# Altium PCB Autopilot_v0.PcbDoc (continued)
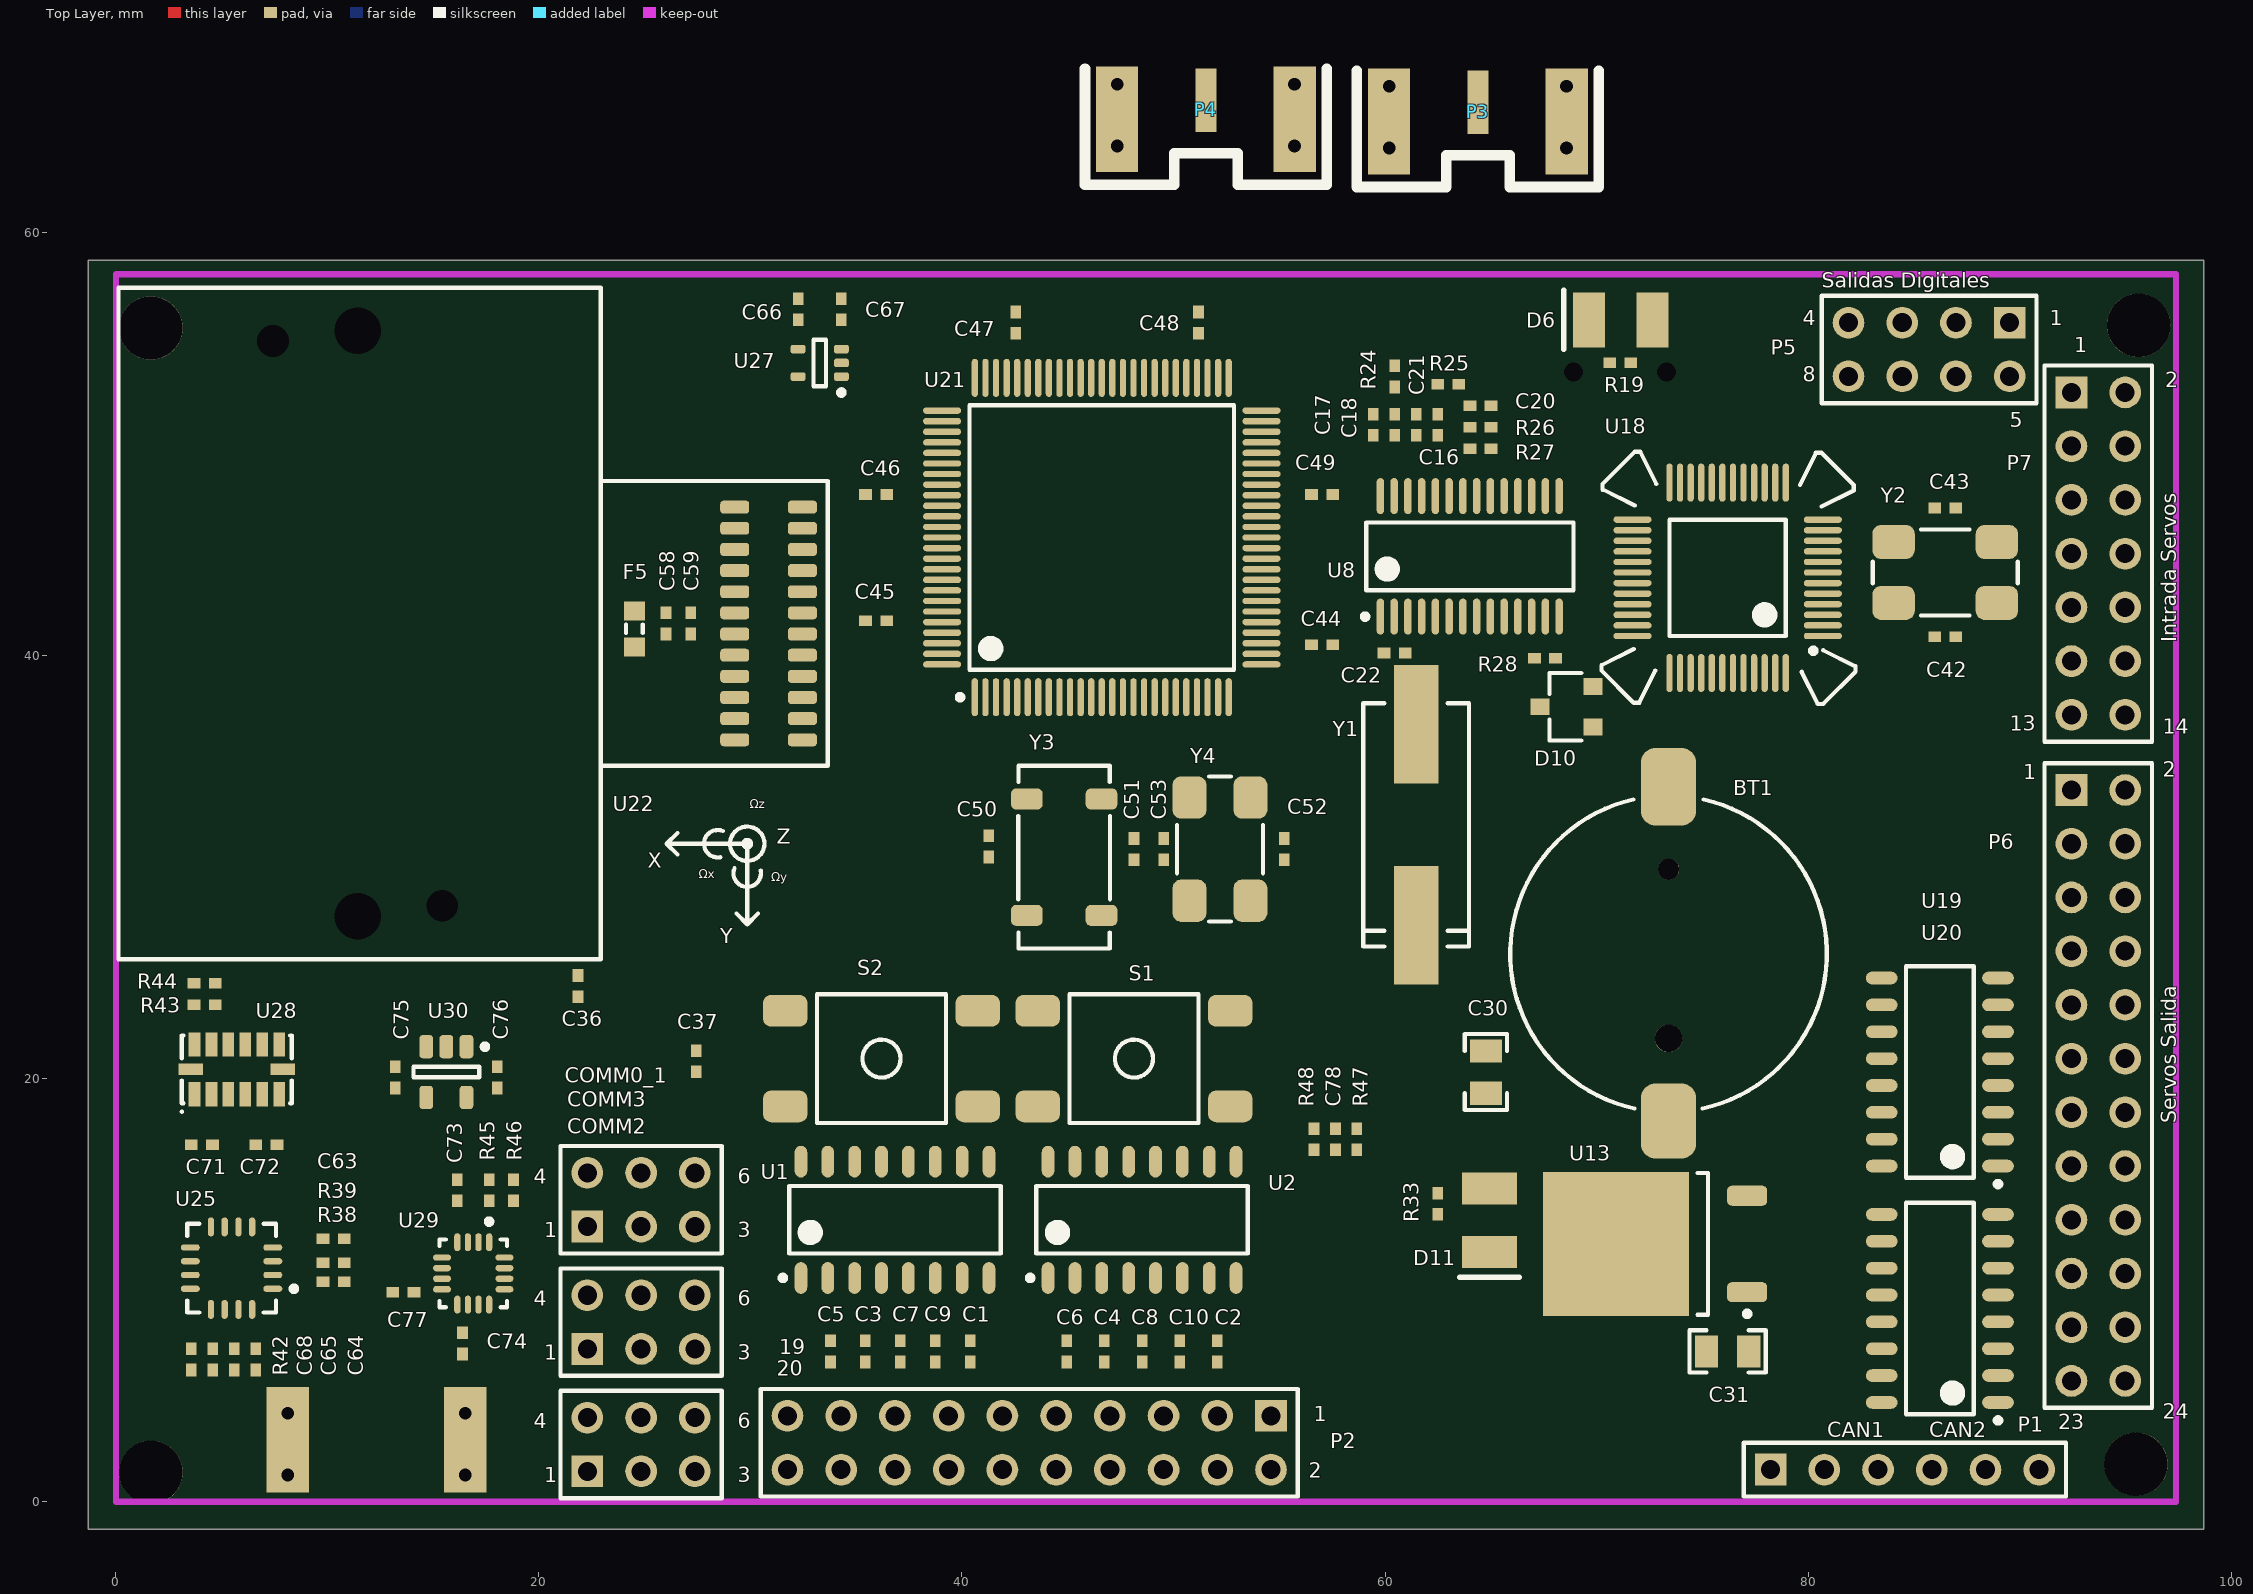
[diagram p0: Top Layer view]
## Footprints (in the part's own frame and the unit in brackets; to place one, negate y for a bottom-side part, rotate by r counter-clockwise, add the part's x,y. Pads: shape width x height; smd on the part's side, far side on the other; paste and mask are expansions set on the pad) (continued)
  silkscreen extent -4.8,-9.25 3.3,9.45, body extent -5.21,-9.24 5.19,9.3, height 2.65
SOT23 [mm]
  rect 0.8x0.9 smd: 1(-0.95,-1.25) 2(0.95,-1.25) 3(0,1.25)
  silkscreen extent -1.6,-0.7 1.6,0.8, body extent -1.5,-1.25 1.5,1.25, height 1.05
SOT23-5BN [mm] "SOT23, 5-Leads, Body 2.9x1.6mm, Pitch 0.95mm, Lead Span 2.8mm, IPC Medium Density"
  rrect50% 1.1x0.65 smd: 1(-1.2,0.95) 2(-1.2,0) 3(-1.2,-0.95) 4(1.2,-0.95) 5(1.2,0.95)
  silkscreen extent -1.33,-1.55 0.25,1.95, body extent -1.4,-1.41 1.4,1.49, height 1.24
SOT353-5AN [mm] "SOT353, 5-Leads, Body 2x1.3mm, Pitch 0.65mm, Lead Span 2.1mm, IPC Medium Density"
  rrect50% 0.7x0.4 smd: 1(-1.025,0.65) 2(-1.025,0) 3(-1.025,-0.65) 4(1.025,-0.65) 5(1.025,0.65)
  silkscreen extent -1.15,-1.1 0.3,1.52, body extent -1.1,-1 1.1,1, height 0.95
"SOT407-1 LPC1768" [mm] "100-Pin Thin Quad Flat Pack 0.5 mm Pitch, IPC Medium Density"
  oval 0.3x1.8 smd: 1(-6,-7.55) 2(-5.5,-7.55) 3(-5,-7.55) 4(-4.5,-7.55) 5(-4,-7.55) 6(-3.5,-7.55) 7(-3,-7.55) 8(-2.5,-7.55) 9(-2,-7.55) 10(-1.5,-7.55) 11(-1,-7.55) 12(-0.5,-7.55) 13(0,-7.55) 14(0.5,-7.55) 15(1,-7.55) 16(1.5,-7.55) 17(2,-7.55) 18(2.5,-7.55) 19(3,-7.55) 20(3.5,-7.55) 21(4,-7.55) 22(4.5,-7.55) 23(5,-7.55) 24(5.5,-7.55) 25(6,-7.55) 51(6,7.55) 52(5.5,7.55) 53(5,7.55) 54(4.5,7.55) 55(4,7.55) 56(3.5,7.55) 57(3,7.55) 58(2.5,7.55) 59(2,7.55) 60(1.5,7.55) 61(1,7.55) 62(0.5,7.55) 63(0,7.55) 64(-0.5,7.55) 65(-1,7.55) 66(-1.5,7.55) 67(-2,7.55) 68(-2.5,7.55) 69(-3,7.55) 70(-3.5,7.55) 71(-4,7.55) 72(-4.5,7.55) 73(-5,7.55) 74(-5.5,7.55) 75(-6,7.55)
  oval 1.8x0.3 smd: 26(7.55,-6) 27(7.55,-5.5) 28(7.55,-5) 29(7.55,-4.5) 30(7.55,-4) 31(7.55,-3.5) 32(7.55,-3) 33(7.55,-2.5) 34(7.55,-2) 35(7.55,-1.5) 36(7.55,-1) 37(7.55,-0.5) 38(7.55,0) 39(7.55,0.5) 40(7.55,1) 41(7.55,1.5) 42(7.55,2) 43(7.55,2.5) 44(7.55,3) 45(7.55,3.5) 46(7.55,4) 47(7.55,4.5) 48(7.55,5) 49(7.55,5.5) 50(7.55,6) 76(-7.55,6) 77(-7.55,5.5) 78(-7.55,5) 79(-7.55,4.5) 80(-7.55,4) 81(-7.55,3.5) 82(-7.55,3) 83(-7.55,2.5) 84(-7.55,2) 85(-7.55,1.5) 86(-7.55,1) 87(-7.55,0.5) 88(-7.55,0) 89(-7.55,-0.5) 90(-7.55,-1) 91(-7.55,-1.5) 92(-7.55,-2) 93(-7.55,-2.5) 94(-7.55,-3) 95(-7.55,-3.5) 96(-7.55,-4) 97(-7.55,-4.5) 98(-7.55,-5) 99(-7.55,-5.5) 100(-7.55,-6)
  silkscreen extent -6.82,-7.67 6.25,6.25, body extent -8,-8 8,8, height 1.6
SSOP1317 [mm]
  rect 2x0.69 smd: 1(-4.915,1.905)
  oval 2x0.69 smd: 2(-4.915,0.635) 3(-4.915,-0.635) 4(-4.915,-1.905) 5(4.915,-1.905) 6(4.915,-0.635) 7(4.915,0.635) 8(4.915,1.905)
  silkscreen extent -3.4,-3.68 3.41,3.68, body extent -5,-3.6 5,3.6, height 4.11
"SSOP1351 - MPXV5004DP" [mm]
  rect 2.54x1.52 smd: 1(-8.36,3.81)
  oval 2.54x1.52 smd: 2(-8.36,1.27) 3(-8.36,-1.27) 4(-8.36,-3.81) 5(8.36,-3.81) 6(8.36,-1.27) 7(8.36,1.27) 8(8.36,3.81)
  silkscreen extent -6.25,-5.08 6.26,5.08, body extent -9.03,-6.03 9.03,12.57, height 10.05
"SW-PB6mm - 2" [mm]
  rrect50% 2.1x1.5 smd: 1(-4.55,2.26) 1(4.55,2.26) 2(-4.55,-2.26) 2(4.55,-2.26)
  silkscreen extent -3.05,-3.05 3.05,3.05, body extent -4.5,-3 4.5,3, height 5
SX6035 [mm]
  rrect50% 2x1.6 smd: 1(-2.44,-1.441) 2(2.441,-1.441) 3(2.441,1.441) 4(-2.44,1.441)
  silkscreen extent -3.43,-2.03 3.43,2.03, body extent -3,-1.75 3,1.75, height 1.05
TO252-3N [mm] "D-PAK, 4-Leads, Body 6.1x6.5mm, Pitch 2.28mm, Lead Span 9.7mm, IPC Medium Density"
  rrect50% 1.9x0.95 smd: 1(-4.35,2.28) 3(-4.35,-2.28)
  rect 6.9x6.8 smd: 4(1.85,0)
  silkscreen extent -4.47,-3.35 -2,3.43, body extent -4.84,-3.29 4.86,3.29, height 2.3
"TO-263 - LM2596" [mm] "5 patas"
  rrect50% 1.1x2.2 smd: 1(-3.414,-4.124) 2(-1.685,-4.162) 3(0.015,-4.162) 4(1.714,-4.162) 5(3.415,-4.162)
  rect 10.8x9 smd: 3(0.015,5.814)
  silkscreen extent -5.97,-5.33 5.97,10.41, body extent -5.08,-4.77 5.08,9.87, height 4.57
TQFP48_LPC1343 [mm] "48-Pin Thin Quad Flat Pack 0.5 mm Pitch, IPC Medium Density"
  oval 0.3x1.8 smd: 1(-2.75,-4.5) 2(-2.25,-4.5) 3(-1.75,-4.5) 4(-1.25,-4.5) 5(-0.75,-4.5) 6(-0.25,-4.5) 7(0.25,-4.5) 8(0.75,-4.5) 9(1.25,-4.5) 10(1.75,-4.5) 11(2.25,-4.5) 12(2.75,-4.5) 25(2.75,4.5) 26(2.25,4.5) 27(1.75,4.5) 28(1.25,4.5) 29(0.75,4.5) 30(0.25,4.5) 31(-0.25,4.5) 32(-0.75,4.5) 33(-1.25,4.5) 34(-1.75,4.5) 35(-2.25,4.5) 36(-2.75,4.5)
  oval 1.8x0.3 smd: 13(4.5,-2.75) 14(4.5,-2.25) 15(4.5,-1.75) 16(4.5,-1.25) 17(4.5,-0.75) 18(4.5,-0.25) 19(4.5,0.25) 20(4.5,0.75) 21(4.5,1.25) 22(4.5,1.75) 23(4.5,2.25) 24(4.5,2.75) 37(-4.5,2.75) 38(-4.5,2.25) 39(-4.5,1.75) 40(-4.5,1.25) 41(-4.5,0.75) 42(-4.5,0.25) 43(-4.5,-0.25) 44(-4.5,-0.75) 45(-4.5,-1.25) 46(-4.5,-1.75) 47(-4.5,-2.25) 48(-4.5,-2.75)
  silkscreen extent -5.96,-6.04 5.96,5.96, body extent -4.5,-4.5 4.5,4.5, height 1.64
TSOP65P640-28AN [mm] "TSOP, 28-Leads, Body 9.7x4.4mm, Pitch 0.65mm, IPC Medium Density"
  oval 1.7x0.35 smd: 1(-2.85,4.225) 2(-2.85,3.575) 3(-2.85,2.925) 4(-2.85,2.275) 5(-2.85,1.625) 6(-2.85,0.975) 7(-2.85,0.325) 8(-2.85,-0.325) 9(-2.85,-0.975) 10(-2.85,-1.625) 11(-2.85,-2.275) 12(-2.85,-2.925) 13(-2.85,-3.575) 14(-2.85,-4.225) 15(2.85,-4.225) 16(2.85,-3.575) 17(2.85,-2.925) 18(2.85,-2.275) 19(2.85,-1.625) 20(2.85,-0.975) 21(2.85,-0.325) 22(2.85,0.325) 23(2.85,0.975) 24(2.85,1.625) 25(2.85,2.275) 26(2.85,2.925) 27(2.85,3.575) 28(2.85,4.225)
  silkscreen extent -2.97,-4.9 1.6,5.07, body extent -3.2,-4.9 3.2,4.9, height 1.05
USB/SM0.8-6H5 [mm] "Connector; USB2.0, Type B, SM; 5 Position; Right Angle"
  rect 2.5x0.5 smd: 1(-8.739,-1.6) 2(-8.739,-0.8) 3(-8.739,0) 4(-8.739,0.8) 5(-8.739,1.6)
  rect 2.5x2 smd: 6(-7.75,-4.45) 6(-7.75,4.45) 6(-2.25,-4.45) 6(-2.25,4.45)
  round 0.6 hole 0.9 unplated: MH1(-5.25,2.2) MH2(-5.25,-2.2)
  silkscreen extent -10.82,-4.95 -0.25,4.95, body extent -8.51,-5.35 0.69,5.35, height 3.95
XTAL32 [mm]
  rrect50% 1x1.5 smd: 1(-2.75,-1.767) 2(2.75,-1.767) 3(2.75,1.767) 4(-2.75,1.767)
  silkscreen extent -4.32,-2.17 4.32,2.17, body extent -3.96,-1.87 4.04,1.93, height 2.53

## Part data
BT1: "Multicell Battery"
C1 C2 C3 C4 C5 C6 C7 C8 C9 C10 C11 C12 C13 C14 C15 C16 C17 C18 C19 C20 C21 C22 C23 C24 C25 C26 C30 C31 C32 C33 C34 C35 C36 C37 C38 C39 C40 C41 C42 C43 C44 C45 C46 C47 C48 C49 C50 C51 C52 C53 C54 C55 C56 C57 C58 C59 C60 C61 C62 C63 C64 C65 C66 C67 C68 C69 C70 C71 C72 C73 C74 C75 C76 C77 C78: library part Cap
COMM0_1 COMM2 COMM3: "Header, 3-Pin, Dual row"
D6 D11: library part LED1
D7 D8 D9: "DIODO 5A DC-DC"
D10: "Single schottky"
P1: library part CAN_Conn, "Header, 6-Pin"
P2: "Header, 10-Pin, Dual row"
P3 P4 P8: "BNC Elbow Connector"
P5: library part AP_SALIDA_DIGITAL, "Header, 4-Pin, Dual row"
P6: "Header, 12-Pin, Dual row"
P7: "Header, 7-Pin, Dual row"
Q1 Q2 Q3 Q4: "NPN 100MHz"
Q5: "PNP 100MHz"
R1 R2 R3 R4 R5 R6 R7 R8 R9 R10 R11 R12 R13 R14 R15 R16 R17 R18 R19 R20 R21 R22 R23 R24 R25 R26 R27 R28 R29 R30 R31 R32 R33 R34 R35 R36 R37 R38 R39 R40 R41 R42 R43 R44 R45 R46 R47 R48: library part Res
S1 S2: "Switch"
U1 U2: library part MAX3232ESE+
U3 U5: "3.3-V CAN TRANSCEIVERS"
U4: library part USB-miniB
U6: "Data Flash"
U7 U10: "OR GATE"
U8: "OSD Display"
U11 U13: "Current 1A"
U14 U15 U30: "Current 50mA"
U17: "MUX"
U18: "ARM CortexM3 32K Flash, 8k RAM"
U19 U20: "COUNTER/DIVIDERS"
U21: library part LPC1768FBD100, "ARM CortexM3 512K Flash, 64k RAM, CAN, USB, Ethernet, DAC"
U23: "ABSOLUTE PRESSURE SENSOR"
U24: "Differential Pressure Sensor"
U25: "3 axis gyroscope"
U26: "MODULO GPS DE SkyNav"
U27: "SENSOR DE TEMPERATURA"
U28: "Digital Accelerometer"
Y1: library part XTAL, "Crystal Oscillator"
Y2 Y4: library part XTAL_SX6035
Y3: "Crystal Oscillator"

## Free pads (board coordinates)
  round 3 hole 3 unplated: 0(1.651,55.499) 1(1.651,1.397) 2(95.504,1.778) 3(95.631,55.626)

## Via types
v1: diameter 1, hole 0.6, Top Layer to Bottom Layer, 12 vias

## Nets (pads, with @x,y where several pads share a name; then routed paths per layer and width w, separated by ;. In a path a pad name is that pad's centre, name@x,y a point inside that pad or via, vN(x,y) a via of type N, cw(c..) or ccw(c..) an arc to the next point about the centre after c; other vN are vias at no path point)
3V3: C1.2 C2.2 C13.2 C14.2 C15.1 C19.2 C24.2 C36.2 C37.2 C44.2 C45.2 C46.2 C47.2 C48.2 C49.2 C63.2 C71.2 C73.1 D1.1 D6.1 D10.2 F6.1 P2.1 P2.2 P5.1 Q5.2 R1.2 R2.2 R3.2 R9.1 R10.1 R11.1 R17.1 R20.2 R21.2 R38.1 R39.1 R40.1 R41.1 R43.1 R44.1 R45.2 R46.2 U1.16 U2.16 U3.3 U5.3 U6.5 U6.6 U7.5 U9.4 U10.5 U11.1 U18.8 U18.44 U21.28 U21.42 U21.54 U21.71 U21.84 U21.96 U25.1 U25.4 U25.5 U25.15 U28.1 U28.7 U29.2 U29.4 U29.13
5V: C20.2 C21.2 C22.2 C31.2 C75.2 F5.1 P1.1 R26.2 R27.2 R28.2 U8.3 U8.21 U8.24 U13.1 U17.17 U19.16 U20.16 U30.1 U30.3
5VA: C35.2 C54.2 C55.2 C60.2 U15.5 U23.2 U24.2
6V: C23.2 C25.1 C30.2 D8.2 F1.1 F2.1 Ind1.2 R30.2 R33.1 U11.3 U13.3
\F_CS: U7.1 U21.73
\IMU_RESET: U21.91 U22.8
\RESET: C11.1 D1.2 P2.15 Q3.3 Q4.3 R1.1 S1.2 U6.3 U8.19 U18.3 U21.17
\RSETOUT: U21.14
\SD_CS: U10.1 U21.70
\SSEL1: U7.2 U10.2 U21.79
\TRST: P2.3 R9.2 U21.4
ACC_INT1: U21.52 U28.8
ACC_INT2: U21.95 U28.9
AOUT: U21.6
BARO: C56.2 R34.2 R35.1 U21.9
BATT_DIV: C78.2 R47.2 R48.1 U21.20
BATT_IN: R47.1
CAN1H: P1.2 R8.1 U3.7
CAN1L: P1.3 R8.2 U3.6
CAN2H: P1.4 R16.1 U5.7
CAN2L: P1.5 R16.2 U5.6
CARRY1: U18.40 U19.12
CARRY2: U18.45 U20.12
CLK_INN: U18.35 U19.13 U20.13
DMINUS: R13.2 U21.30
DPLUS: R14.2 U21.29
DTR0: R6.2
DTR2: R7.2
GND: BT1.2 C1.1 C2.1 C5.1 C6.1 C9.1 C10.1 C11.2 C12.2 C13.1 C14.1 C15.2 C19.1 C20.1 C21.1 C22.1 C23.1 C24.1 C30.1 C31.1 C32.1 C34.1 C36.1 C37.1 C42.1 C43.2 C44.1 C45.1 C46.1 C47.1 C48.1 C49.1 C50.1 C51.2 C52.1 C53.2 C58.1 C59.1 C63.1 C64.1 C65.1 C69.1 C70.1 C71.1 C72.1 C73.2 C74.2 C75.1 C76.1 C77.1 C78.1 COMM0_1.3 COMM0_1.6 COMM2.3 COMM2.6 COMM3.3 COMM3.6 D2.2 D3.2 D4.2 D5.2 D9.2 D11.2 P1.6 P2.4 P2.6 P2.8 P2.10 P2.12 P2.14 P2.16 P2.18 P2.20 P3.0 P4.0 P5.5 P6.11 P6.18 P7.5 P7.10 P8.0 Q1.2 Q2.2 Q3.2 Q4.2 R12.1 R22.2 R23.2 R25.1 R29.2 R32.1 R42.2 R48.2 S1.1 S2.1 U1.15 U2.15 U3.2 U3.8 U4.5 U4.6 U5.2 U5.8 U6.7 U7.3 U8.4 U8.20 U8.23 U9.6 U10.3 U11.4 U12.3 U13.4 U14.2 U15.2 U17.8 U17.19 U17.38 U17.49 U18.5 U18.41 U19.8 U20.8 U21.31 U21.41 U21.55 U21.72 U21.83 U21.97 U22.13 U22.14 U22.15 U25.8 U25.9 U25.10 U25.11 U25.12 U25.13 U26.10 U26.12 U26.13 U26.24 U28.2 U28.4 U28.5 U28.12 U29.9 U29.11 U30.2 Y2.2 Y2.4 Y3.2 Y3.4 Y4.2 Y4.4
  other v1: 8.128,1.27 16.51,1.27 8.128,4.191 16.51,4.191 60.198,64.008 68.58,64.008 47.341,64.105 55.723,64.105 60.198,66.929 68.58,66.929 47.341,67.026 55.723,67.026
GYRO_DRDY: U21.51 U25.6
GYRO_INT1: U21.94 U25.7
HMC_DRDY: U21.50 U29.15
IMU_ADC: U22.21
IMU_DAC: U22.20
IMU_DIO1: U21.93 U22.7
IMU_DIO2: U21.92 U22.9
IMU_DIO3: U22.1
IMU_DIO4: U22.2
ISP13: Q2.3 R3.1 U18.4
ISP17: C12.1 Q1.3 R2.1 S2.2 U21.53
LPC13_DIO0: P5.2 U18.15
LPC13_DIO1: P5.3 U18.16
LPC13_DIO2: P5.4 U18.9
LPC13_DIO3: P5.8 U18.17
LPC13_DIO4: P5.7 U18.30
LPC13_DIO5: P5.6 U18.42
LPC13_MISO0: U18.27 U21.36
LPC13_MISO1: U8.11 U18.26
LPC13_MOSI0: U18.28 U21.37
LPC13_MOSI1: U8.9 U18.38
LPC13_RXD: U2.12 U18.46
LPC13_SCK0: U18.29 U21.34
LPC13_SCK1: U8.10 U18.13
LPC13_SSEL0: U18.10 U21.35
LPC13_SSEL1: U8.8 U18.2
LPC13_TXD: U2.11 U18.47
MISO: U21.61 U22.4
MISO1: U6.8 U9.7 U21.77
MOSI: U21.60 U22.5
MOSI1: U6.1 U9.3 U21.76
MUX1O\E\: U17.56 U18.24
MUX2O\E\: U17.55 U18.25
NetBT1_1: BT1.1 D10.1
NetC3_1: C3.1 U1.1
NetC3_2: C3.2 U1.3
NetC4_1: C4.1 U2.1
NetC4_2: C4.2 U2.3
NetC5_2: C5.2 U1.2
NetC6_2: C6.2 U2.2
NetC7_1: C7.1 U1.5
NetC7_2: C7.2 U1.4
NetC8_1: C8.1 U2.5
NetC8_2: C8.2 U2.4
NetC9_2: C9.2 U1.6
NetC10_2: C10.2 U2.6
NetC16_1: C16.1 U8.22
NetC16_2: C16.2 P3.1 R25.2
NetC17_1: C17.1 C18.1 R24.1
NetC17_2: C17.2 U8.26
NetC18_2: C18.2 U8.25
NetC25_2: C25.2 R29.1 R30.1 U12.4
NetC26_1: C26.1 R31.1
NetC26_2: C26.2 D7.1 U12.1
NetC32_2: C32.2 F1.2 U14.1 U14.3
NetC34_2: C34.2 F2.2 U15.1 U15.3
NetC42_2: C42.2 U18.6 Y2.1
NetC43_1: C43.1 U18.7 Y2.3
NetC50_2: C50.2 U21.16 Y3.3
NetC51_1: C51.1 U21.18 Y3.1
NetC52_2: C52.2 U21.23 Y4.1
NetC53_1: C53.1 U21.22 Y4.3
NetC57_2: C57.2 R34.1 U23.4
NetC58_2: C58.2 C59.2 F5.2 U22.10 U22.11 U22.12
NetC62_2: C62.2 R36.1 U24.4
NetC65_2: C65.2 C68.2 U25.14
NetC68_1: C68.1 R42.1
NetC69_2: C69.2 C70.2 F6.2 U26.22 U26.23
NetC74_1: C74.1 U29.10
NetC77_2: C77.2 U29.8
NetD2_1: D2.1 Q1.1 R4.1
NetD3_1: D3.1 Q2.1 R5.1
NetD4_1: D4.1 Q3.1 R6.1
NetD5_1: D5.1 Q4.1 R7.1
NetD6_2: D6.2 R19.1
NetD9_1: D9.1 Ind1.1 U12.2
NetD11_1: D11.1 R33.2
NetP2_17: P2.17 R22.1
NetP2_19: P2.19 R23.1
NetP4_1: P4.1 R24.2
NetP8_1: P8.1 U26.11
NetQ5_1: Q5.1 R17.2 R18.1
NetQ5_3: Q5.3 R15.2
NetR13_1: R13.1 U4.2
NetR14_1: R14.1 R15.1 U4.3
NetR26_1: R26.1 U8.17
NetR27_1: R27.1 U8.18
NetR28_1: R28.1 U8.12
NetR31_2: R31.2 R32.2 U12.5
NetU6_4: U6.4 U7.4
NetU8_5: U8.5 Y1.2
NetU8_6: U8.6 Y1.1
NetU9_2: U9.2 U10.4
NetU17_2: U17.2 U19.3
NetU17_3: U17.3 U19.2
NetU17_4: U17.4 U19.4
NetU17_5: U17.5 U19.7
NetU17_6: U17.6 U19.10
NetU17_7: U17.7 U19.1
NetU17_9: U17.9 U19.5
NetU17_10: U17.10 U19.6
NetU17_11: U17.11 U19.9
NetU17_12: U17.12 U19.11
NetU17_13: U17.13 U20.3
NetU17_14: U17.14 U20.2
PITOT: C61.2 R36.2 R37.1 U21.8
PPM1: U18.32 U19.14
PPM2: U18.34 U20.14
PPM_RST: U18.39 U19.15 U20.15
RCIN0: P7.1 U17.15
RCIN1: P7.2 U17.16 U18.36
RCIN2: P7.3 U17.18 U18.37
RCIN3: P7.4 U17.20 U18.43
RCIN4: P7.7 U17.21 U18.48
RCIN5: P7.6 U17.22 U18.18
RCIN6: P7.9 U17.23 U18.21
RCIN7: P7.8 U17.24 U18.19
RCIN8: P7.11 U17.25 U18.20
RCIN9: P7.12 U17.26 U18.1
RCIN10: P7.13 U17.27 U18.11
RCIN11: P7.14 U17.28 U18.12
RD1: U3.4 U21.57
RD2: U5.4 U21.81
RTCK: P2.11 R20.1 U21.100
RTS0: R4.2
RTS1: R5.2
RXD0: U1.12 U21.99
RXD1: U1.9 U21.74
RXD2: R18.2 R41.2 U21.64 U26.21
RXD3: U2.9 U21.47 U21.85
SCK: U21.62 U22.3
SCK1: U6.2 U9.5 U21.78
SCL0: R38.2 U21.24 U25.2
SCL1: R44.2 U21.58 U28.14
SCL2: R45.1 U21.49 U29.1
SDA0: R39.2 U21.25 U25.3
SDA1: R43.2 U21.59 U28.13
SDA2: R46.1 U21.48 U29.16
SERVO0: P6.3 U17.41 U17.54
SERVO1: P6.4 U17.40 U17.53
SERVO2: P6.5 U17.39 U17.52
SERVO3: P6.6 U17.37 U17.51
SERVO4: P6.7 U17.36 U17.50
SERVO5: P6.8 U17.35 U17.48
SERVO6: P6.9 U17.34 U17.47
SERVO7: P6.10 U17.33 U17.46
SERVO8: P6.12 U17.32 U17.45
SERVO9: P6.13 U17.31 U17.44
SERVO10: P6.14 U17.30 U17.43
SERVO11: P6.15 U17.29 U17.42
SERVO12: P6.16 U20.4
SERVO13: P6.17 U20.7
SERVO14: P6.19 U20.10
SERVO15: P6.20 U20.1
SERVO16: P6.21 U20.5
SERVO17: P6.22 U20.6
SERVO18: P6.23 U20.9
SERVO19: P6.24 U20.11
SSEL: U21.63 U22.6
TCK: P2.9 R12.2 U21.5
TD1: U3.1 U21.56
TD2: U5.1 U21.80
TDI: P2.5 R10.2 U21.2
TDO: P2.13 R21.1 U21.1
THERM: C67.2 U21.7 U27.3
TMS: P2.7 R11.2 U21.3
TXD0: U1.11 U21.98
TXD1: U1.10 U21.75
TXD2: R40.2 U21.65 U26.20
TXD3: U2.10 U21.46 U21.82
UDTR2: COMM2.5
UDTR3: COMM3.5
URTS2: COMM2.4
URTS3: COMM3.4
URXD0: COMM0_1.1 U1.7
URXD1: COMM0_1.4 U2.7
URXD2: COMM2.1 U1.14
URXD3: COMM3.1 U2.14
UTXD0: COMM0_1.2 U1.8
UTXD1: COMM0_1.5 U2.8
UTXD2: COMM2.2 U1.13
UTXD3: COMM3.2 U2.13
UULED: R19.2 U21.33
VBAT: D10.3 U21.19
VBUS: U4.1 U21.21
VDDA: C33.2 C38.2 C39.2 C66.2 F3.1 U14.5 U21.10 U27.4
VREF+: C40.2 C41.2 F3.2 U21.12
VREF-: C40.1 C41.1 F4.2 U21.15
VS: C64.2 C72.2 C76.2 U25.16 U28.6 U30.5
VSERVO: D8.1 P6.1 P6.2
VSSA: C33.1 C35.1 C38.1 C39.1 C54.1 C55.1 C56.1 C57.1 C60.1 C61.1 C62.1 C66.1 C67.1 F4.1 R35.2 R37.2 U21.11 U23.3 U24.3 U27.2
pads on no net: BT1.0 D7.2 U3.5 U4.4 U4.MH1 U4.MH2 U5.5 U8.1 U8.2 U8.7 U8.13 U8.14 U8.15 U8.16 U8.27 U8.28 U9.0 U9.1 U9.8 U14.4 U15.4 U17.1 U18.14 U18.22 U18.23 U18.31 U18.33 U21.13 U21.26 U21.27 U21.32 U21.38 U21.39 U21.40 U21.43 U21.44 U21.45 U21.66 U21.67 U21.68 U21.69 U21.86 U21.87 U21.88 U21.89 U21.90 U22.0 U22.16 U22.17 U22.18 U22.19 U22.22 U22.23 U22.24 U23.1 U23.5 U23.6 U23.7 U23.8 U24.1 U24.5 U24.6 U24.7 U24.8 U26.1 U26.2 U26.3 U26.4 U26.5 U26.6 U26.7 U26.8 U26.9 U26.14 U26.15 U26.16 U26.17 U26.18 U26.19 U26.25 U27.1 U27.5 U28.3 U28.10 U28.11 U29.3 U29.5 U29.6 U29.7 U29.12 U29.14 U30.4

## Polygon pours and split planes (outlines as drawn)
no net on Internal Plane 1 (split plane): 98.7,-1.3 -1.3,-1.3 -1.3,58.7 98.7,58.7
no net on Internal Plane 2 (split plane): 98.7,-1.3 -1.3,-1.3 -1.3,58.7 98.7,58.7

## Keep-outs
Keep-Out Layer:
  lines w0.3: 0,0 97.4,0 97.4,58.039 0,58.039 0,0

## Silkscreen, mask and mechanical layers (free items; w line width, h text height)
Top Overlay:
  circle w0.2: c29.845,31.115 r0.813
  circle w0.2: c29.845,31.115 r0.18
  lines w0.2: 26.543,30.607 26.035,31.115 ; 26.543,31.623 26.035,31.115 ; 28.575,30.48 cw(c28.448,31.115) 28.689,31.716 ; 29.244,29.959 ccw(c29.845,29.718) 30.48,29.845 ; 29.337,27.813 29.845,27.305 ; 30.353,27.813 29.845,27.305 ; 26.035,31.115 29.845,31.115 29.845,27.305
  text "Salidas Digitales" at 80.645,57.404 h0.7
  text "Intrada Servos" at 97.4,40.64 h0.7 r90
  text "Ωz" at 29.972,32.639 h0.7
  text "Z" at 31.242,31.115 h0.7
  text "X" at 25.146,29.972 h0.7
  text "Ωx" at 27.559,29.337 h0.7
  text "Ωy" at 30.988,29.21 h0.7
  text "Y" at 28.575,26.416 h0.7
  text "Servos Salida" at 97.4,17.907 h0.7 r90
  text "CAN1" at 80.899,3.048 h0.7
  text "CAN2" at 85.725,3.048 h0.7

## Dimensions
0,0 to 97.4,0 on Mechanical 1
0,0 to 0,58.039 on Mechanical 1

## Text inside footprints (layer, text, board x,y; h text height)
COMM0_1: Top Overlay "4" at 19.748,15.048 h0.7; Top Overlay "1" at 20.256,12.508 h0.7; Top Overlay "3" at 29.4,12.508 h0.7; Top Overlay "6" at 29.4,15.048 h0.7
COMM2: Top Overlay "4" at 19.748,3.472 h0.7; Top Overlay "1" at 20.256,0.932 h0.7; Top Overlay "3" at 29.4,0.932 h0.7; Top Overlay "6" at 29.4,3.472 h0.7
COMM3: Top Overlay "4" at 19.748,9.26 h0.7; Top Overlay "1" at 20.256,6.72 h0.7; Top Overlay "3" at 29.4,6.72 h0.7; Top Overlay "6" at 29.4,9.26 h0.7
P2: Top Overlay "20" at 31.242,5.969 h0.7; Top Overlay "19" at 31.369,6.985 h0.7; Top Overlay "1" at 56.642,3.81 h0.7; Top Overlay "2" at 56.388,1.143 h0.7
P5: Top Overlay "8" at 79.756,52.959 h0.7; Top Overlay "4" at 79.756,55.626 h0.7; Top Overlay "1" at 91.44,55.626 h0.7; Top Overlay "5" at 89.535,50.8 h0.7
P6: Top Overlay "1" at 90.17,34.163 h0.7; Top Overlay "2" at 96.774,34.29 h0.7; Top Overlay "23" at 91.821,3.429 h0.7; Top Overlay "24" at 96.774,3.937 h0.7
P7: Top Overlay "13" at 89.535,36.449 h0.7; Top Overlay "14" at 96.774,36.322 h0.7; Top Overlay "1" at 92.583,54.356 h0.7; Top Overlay "2" at 96.901,52.705 h0.7
U4: Mechanical 1 "Borde PCB" at 67.084,59.106 h0.7 r180